# Altium PCB MICB.PcbDoc (part 2 of 3)
Units mil, origin at the board's own origin, x right, y up, seen from the top; angles counter-clockwise.
Board outline 3923.62 x 3144.88 mil, 4 copper layers (Top, GND02, PWR03, Bottom), stack 23.756 mil thick; 244 components, 173 nets, 794 pads, 559 vias.
Unrouted connection lines stored in the file: 121.
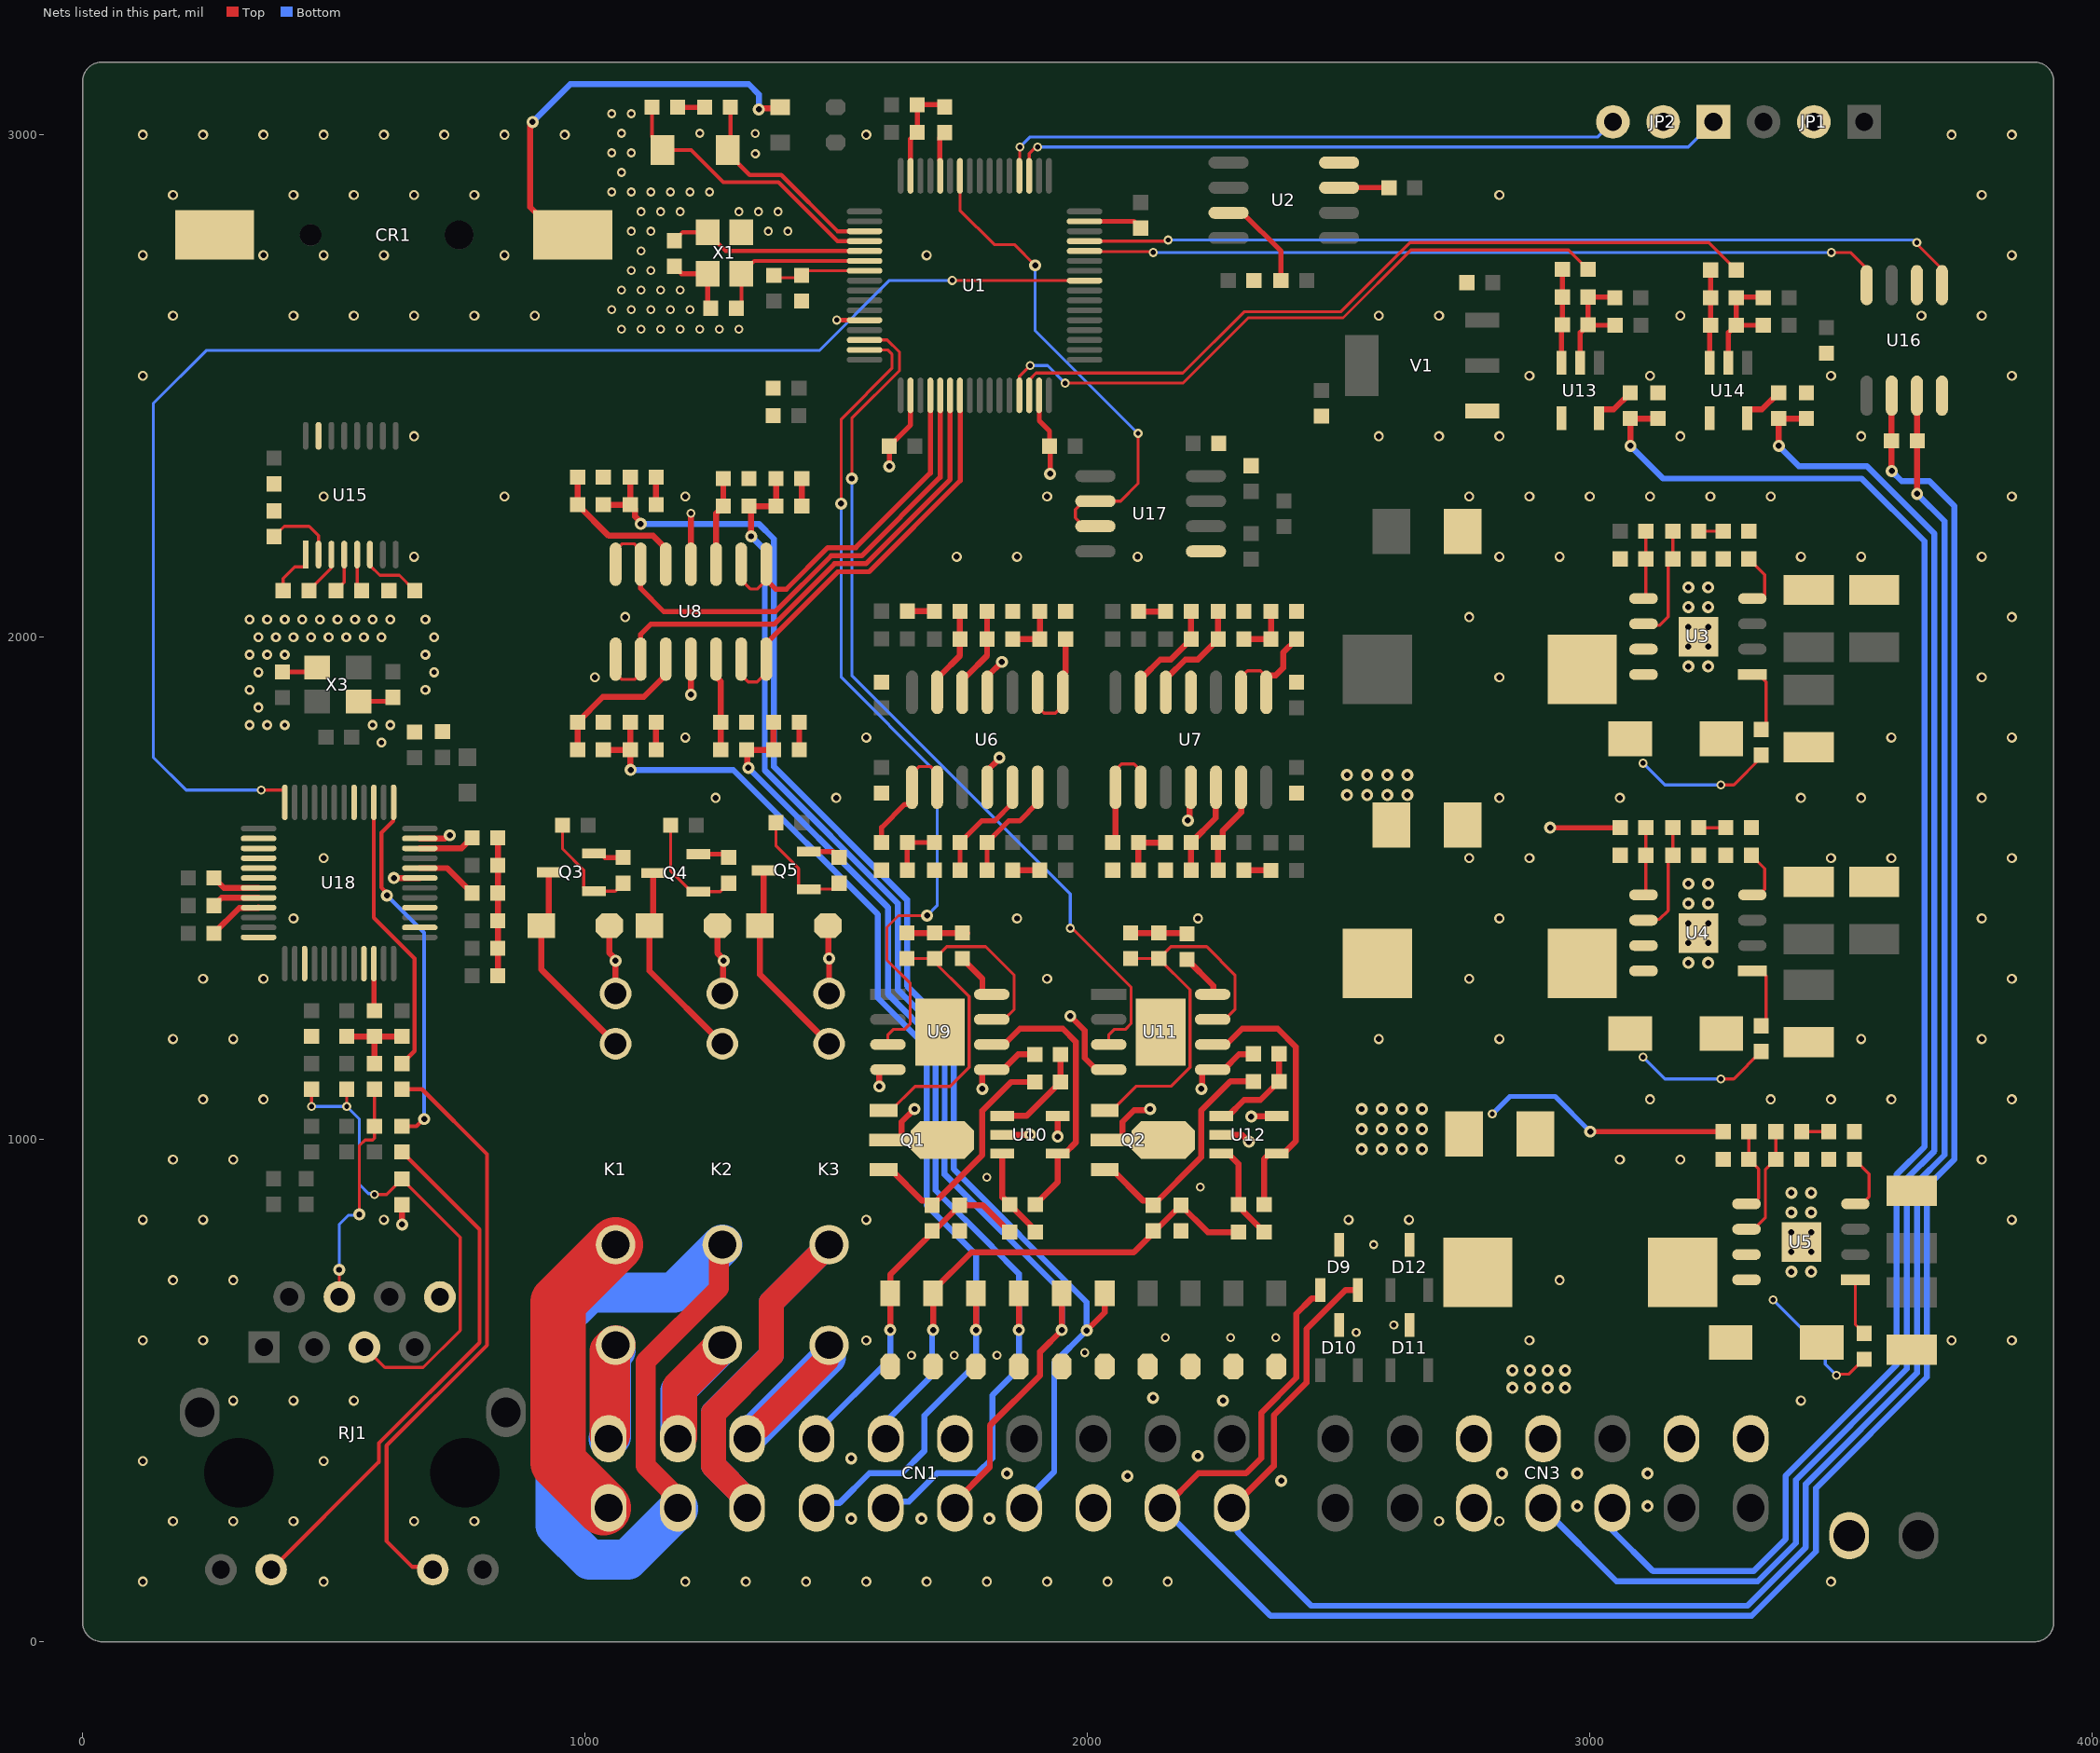
[diagram p4: the nets of this part, all layers, seen from the top]

## Via types
v1: diameter 24, hole 12, Top to Bottom, tented both sides, 215 vias
v2: diameter 20, hole 12, Top to Bottom, tented both sides, 159 vias
v3: diameter 18, hole 10, Top to Bottom, tented both sides, 121 vias
v4: diameter 20, hole 10, Top to Bottom, tented both sides, 34 vias
v5: diameter 24, hole 12, Top to Bottom, 30 vias

## Nets (pads, with @x,y where several pads share a name; then routed paths per layer and width w, separated by ;. In a path a pad name is that pad's centre, name@x,y a point inside that pad or via, vN(x,y) a via of type N, cw(c..) or ccw(c..) an arc to the next point about the centre after c; other vN are vias at no path point) (continued)
6V: CN3.8 E2.1 L2.2 R9.2 | length 139.4
  Top w10: v1(2920.98,1620.63) R9.2@3060.4,1620.63
  other v1: 2845.98,505.63 2880.98,505.63 2915.98,505.63 2950.98,505.63 2845.98,540.63 2880.98,540.63 2915.98,540.63 2950.98,540.63 2516.86,1685.64 2556.86,1685.64 2596.86,1685.64 2636.86,1685.64 2516.86,1725.64 2556.86,1725.64 2596.86,1725.64 2636.86,1725.64
12V: CN3.14 D6.2 D7.2 D8.2 E3.1 K1.1 K2.1 K3.1 L3.2 Q1.2 Q2.2 R13.2 U6.4 U7.4 U8.4 U9.4 U10.5 U11.4 U12.5 | length 1635
  Top w10: v1(3000.98,1015.63) R13.2@3265.4,1015.63
  Top w12: D6.2@1048.48,1425.63 1048.48,1371.38 1060.98,1358.88 v1(1060.98,1355.63) K1.1@1060.98,1290.63 ; v1(1210.98,1885.63) U8.4@1210.98,1956.14 ; D7.2@1263.48,1425.63 1263.48,1371.38 1275.98,1358.88 v1(1275.98,1355.63) 1274.73,1354.38 1274.73,1291.88 K2.1@1273.48,1290.63 ; D8.2@1483.48,1425.63 1484.73,1424.38 1484.73,1361.88 v1(1485.98,1360.63) K3.1@1485.98,1290.63 ; v1(1585.98,1105.63) 1585.98,1134.48 1590.44,1138.94 U9.4@1603.03,1138.94 ; Q1.2@1607.38,998.94 1623.59,998.94 1630.39,1005.73 1630.39,1035.03 v1(1655.98,1060.63) ; U6.4@1800.98,1701.14 1800.98,1734.31 1825,1758.33 v1(1825,1760) ; v1(1940.98,1005.63) 1940.98,1042.97 1941.05,1043.03 U10.5@1951.1,1043.03 ; v1(1965.98,1245.63) 1994.72,1216.89 1994.72,1162.24 2018.03,1138.94 U11.4@2042.64,1138.94 ; Q2.2@2063.2,998.94 2069.99,1005.73 2069.99,1035.03 2093.29,1058.33 2122.69,1058.33 v1(2124.98,1060.63) ; v1(2200,1635) 2200,1638.25 2203.76,1642.01 2203.76,1698.92 U7.4@2205.98,1701.14 ; v1(2325.98,1045.63) 2326.57,1046.22 2387.73,1046.22 U12.5@2388.32,1045.63
  Bottom w10: v3(2805.98,1050.63) 2840.98,1085.63 2930.98,1085.63 v1(3000.98,1015.63)
  other v1: 2545.98,980.63 2585.98,980.63 2625.98,980.63 2665.98,980.63 2545.98,1020.63 2585.98,1020.63 2625.98,1020.63 2665.98,1020.63 2545.98,1060.63 2585.98,1060.63 2625.98,1060.63 2665.98,1060.63
ACTLED: R91.2 U18.27 | length 563.8
  Top w8: U18.27@579.88,1671.08 579.88,1441.41 660.99,1360.3 660.99,1176.22 R91.2@635.99,1151.22
Ain_1: C41.2 CN1.7 DR5.1 R41.2 R42.2 | length 2286.3
  Top w12: R41.2@1036.57,1775.63 R42.2@1090.4,1775.63 ; C41.2@1090.4,1830.63 R42.2@1090.4,1775.63 ; v1(1090.98,1735.63) 1090.69,1735.92 1090.69,1775.34 R42.2@1090.4,1775.63 ; v1(1778.29,620.63) DR5.1@1778.29,693.46
  Bottom w12: v1(1090.98,1735.63) 1295.53,1735.63 1582.99,1448.17 1582.99,1281.6 1679.98,1184.61 1679.98,1050.69 ; CN1.7@1460.71,266.57 1470.9,276.76 1507.11,276.76 1565.98,335.63 1630.98,335.63 1675.98,380.63 1675.98,450.63 1778.29,552.93 v1(1778.29,620.63) 1778.29,770.61 1679.97,868.92 1679.97,1050.68
Ain_2: C42.2 CN1.9 DR6.1 R44.2 R45.2 | length 2091.5
  Top w12: v1(1325.23,1739.87) 1323.4,1741.7 1323.4,1773.81 R44.2@1321.57,1775.63 R45.2@1375.4,1775.63 C42.2@1375.4,1830.63 ; v1(1863.67,620.63) DR6.1@1863.67,693.46
  Bottom w12: v1(1325.23,1739.87) 1602.99,1462.11 1602.99,1289.89 1697.98,1194.89 1697.98,1043.23 ; CN1.9@1598.5,266.57 1611.48,279.55 1644.91,279.55 1700.98,335.63 1780.98,335.63 1810.98,365.63 1810.98,490.94 1863.67,543.63 v1(1863.67,620.63) 1863.67,732.94 1810.98,785.63 1810.98,785.93 1697.97,898.94 1697.97,1043.22
Ain_3: C43.2 CN1.11 DR7.1 R47.2 R48.2 | length 2512.5
  Top w12: v1(1330.98,2200.63) 1330.98,2255.63 1335.98,2260.63 R48.2@1380.4,2260.63 C43.2@1380.4,2315.63 ; CN1.11@1736.3,266.57 1736.3,278.38 1805.98,348.07 1805.98,430.63 1905.98,530.63 1905.98,577.56 v1(1949.06,620.63) DR7.1@1949.06,693.46
  Bottom w12: v1(1330.98,2200.63) 1357.98,2173.63 1357.98,1734.81 1622.99,1469.81 1622.99,1298.17 1715.98,1205.17 1715.98,1035.78 ; 1715.97,1035.77 1715.97,930.63 1949.06,697.54 v1(1949.06,620.63)
Ain_4: C44.2 CN1.13 DR8.1 R50.2 R51.2 | length 2759.8
  Top w12: R50.2@1036.57,2263.5 C44.2@1090.4,2263.51 ; R51.2@1090.4,2318.51 C44.2@1090.4,2263.51 ; v1(1110.98,2225.63) 1110.98,2228.88 1099.4,2240.47 1099.4,2254.51 C44.2@1090.4,2263.51 ; v1(1998.67,619.8) 2034.44,655.57 DR8.1@2034.44,693.46
  Bottom w12: v1(1110.98,2225.63) 1345.98,2225.63 1375.98,2195.63 1375.98,1742.27 1640.99,1477.26 1640.99,1305.63 1733.98,1212.63 1733.98,1028.32 ; 1733.97,1028.31 1733.97,941.03 1998.67,676.33 v1(1998.67,619.8) 1998.61,619.8 1934.01,555.19 1934.01,338.3 1874.1,278.38 CN1.13@1874.1,266.57
AV_1: U1.22 U8.1 U8.2 | length 1076.8
  Top w6: U8.1@1060.98,1956.14 1060.98,1927.96 1073.31,1915.63 1098.66,1915.63 1110.98,1927.96 U8.2@1110.98,1956.14
  Top w10: U8.2@1110.98,1956.14 1110.98,2005.63 1130.98,2025.63 1376.35,2025.63 1496.79,2146.07 1558.87,2146.07 1726.77,2313.97 U1.22@1726.77,2481.21
AV_2: U1.23 U8.6 U8.7 | length 850.4
  Top w6: U8.6@1310.98,1956.14 1310.98,1924.65 1325,1910.63 1342.47,1910.63 1360.98,1929.14 U8.7@1360.98,1956.14
  Top w10: U8.6@1310.98,1956.14 U8.6@1315.98,1961.14 ; U8.7@1360.98,1956.14 1360.98,1987.64 1503.42,2130.07 1565.5,2130.07 1747.09,2311.66 U1.23@1747.09,2481.21
AV_3: U1.20 U8.8 U8.9 | length 772.2
  Top w6: U8.9@1310.98,2114.61 1329.98,2095.61 1342.97,2095.61 U8.8@1360.98,2113.62 ; U8.9@1310.98,2145.12 U8.9@1310.98,2176.61 ; U8.8@1360.98,2145.12 U8.8@1360.98,2175.63
  Top w10: U8.9@1310.98,2115.63 U8.9@1310.98,2145.12 ; U8.8@1360.98,2145.12 1360.98,2114.17 1379.52,2095.63 1401.09,2095.63 1483.54,2178.08 1539.03,2178.08 1687.4,2326.45 U1.20@1687.4,2481.21
AV_4: U1.21 U8.13 U8.14 | length 1053.9
  Top w6: U8.14@1060.98,2145.12 1060.98,2173.3 1073.31,2185.63 1098.66,2185.63 1110.98,2173.3 U8.13@1110.98,2145.12
  Top w10: U8.13@1110.98,2145.12 1110.98,2096.81 1157.17,2050.63 1378.72,2050.63 1490.17,2162.07 1550.86,2162.07 1707.09,2318.3 U1.21@1707.09,2481.21
CAN_H: CN1.19 D9.2 R71.2 U16.7 | length 4279.5
  Top w12: CN1.19@2287.48,266.57 2370.98,350.08 2370.98,450.63 2435.98,515.63 2435.98,622.6 2514.02,700.63 D9.2@2538.39,700.63 ; U16.7@3650.98,2480.63 3651.28,2480.34 R71.2@3651.28,2385.92 ; v1(3651.41,2285.21) 3651.49,2285.29 3651.49,2390.55 R71.2@3651.57,2390.63
  Bottom w12: CN1.19@2287.48,266.57 2298.74,255.31 2298.74,218.55 2445.43,71.86 3313.78,71.86 3430,188.08 3430,314.06 3650.98,535.05 3650.98,914.06 3705.98,969.06 3705.98,2230.64 v1(3651.41,2285.21)
CAN_L: CN1.17 D9.1 R71.1 U16.6 | length 4571.1
  Top w12: CN1.17@2149.69,266.57 2151.93,266.57 2220.98,335.63 2315.98,335.63 2345.98,365.63 2345.98,455.63 2415.98,525.63 2415.98,653.03 2446.12,683.17 2459.74,683.17 2463.58,687.01 D9.1@2463.58,700.63 ; R71.1@3600.39,2390.63 R71.1@3600.69,2390.33 ; v1(3600.98,2330.63) 3600.69,2330.93 R71.1@3600.69,2390.33 ; U16.6@3600.98,2480.63 3600.69,2480.33 R71.1@3600.69,2390.33
  Bottom w12: CN1.17@2149.69,266.57 2364.49,51.77 3321.98,51.77 3450,179.79 3450,305.78 3670.98,526.76 3670.98,905.78 3725.98,960.78 3725.98,2260.63 3675.98,2310.63 3620.98,2310.63 v1(3600.98,2330.63)
CAN_RX: U1.44 U16.4 | length 1603.9
  Top w6: U1.44@1994.49,2768.61 1995.6,2767.5 2129.11,2767.5 v3(2130.98,2765.63) ; v3(3480.98,2765.63) 3518.86,2765.63 3550.98,2733.5 U16.4@3550.98,2700.63
  Bottom w6: v3(2130.98,2765.63) v3(3480.98,2765.63)
CAN_TX: U1.45 U16.1 | length 1765.2
  Top w6: U1.45@1994.49,2788.3 2155.41,2788.3 2157.74,2790.63 v3(2160.98,2790.63) ; v3(3650.98,2785.63) 3650.98,2782.38 3700.98,2732.38 U16.1@3700.98,2700.63
  Bottom w6: v3(2160.98,2790.63) 3642.74,2790.63 3647.74,2785.63 v3(3650.98,2785.63)
CO_5V: C14.1 D3.2 L1.1 U3.8 | length 275.5
  Top w6: v3(3260.98,1705.63) 3286.58,1705.63 C14.1@3340.99,1760.04
  Bottom w6: v3(3105.98,1749.06) 3149.41,1705.63 v3(3260.98,1705.63)
CO_6V: C22.1 D4.2 L2.1 U4.8 | length 275.5
  Top w6: v3(3260.98,1120.63) 3286.58,1120.63 C22.1@3340.99,1175.04
  Bottom w6: v3(3105.98,1164.06) 3149.41,1120.63 v3(3260.98,1120.63)
CO_12V: C28.1 D5.2 L3.1 U5.8 | length 270.5
  Top w6: v3(3490.98,530.63) 3493.28,532.93 3516.17,532.93 C28.1@3545.99,562.74
  Bottom w6: v3(3365,680.63) 3468.72,576.91 3468.72,552.89 v3(3490.98,530.63)
COM_1: CN1.1 K1.3 | length 609.1
  Top w110: CN1.1@1036.93,266.57 946.32,357.18 946.32,675.97 K1.3@1060.98,790.63
COM_2: CN1.3 K2.3 | length 1726.7
  Top w40: CN1.3@1185.12,266.57 1185.12,286.74 1120.98,350.87 1120.98,558.18 1266.97,704.17 1266.97,784.11 K2.3@1273.48,790.63
  Bottom w80: CN1.3@1185.12,266.57 1185.12,263.9 1085.2,163.97 1085.2,163.33 1009.45,163.33 941.32,231.46 941.32,628.2 1008.39,695.26 1178.11,695.26 K2.3@1273.48,790.63
COM_3: CN1.5 K3.3 | length 1294.2
  Top w50: CN1.5@1322.91,266.57 1322.91,283.59 1255.91,350.59 1255.91,455.58 1370.98,570.65 1370.98,675.63 K3.3@1485.98,790.63
  Bottom w50: CN1.5@1322.91,266.57 1322.91,283.59 1255.91,350.59 1255.91,456.88 1370.98,571.95 1370.98,675.63 K3.3@1485.98,790.63
debug_RX: JP2.3 U1.52 | length 1256.6
  Top w6: U1.52@1864.57,2919.71 1865.28,2920.42 1865.28,2974.32 v3@1865.98,2975.03
  Bottom w6: v3(1865.98,2975.63) 1885.98,2995.63 3015.93,2995.63 3045.93,3025.63 JP2.3@3045.98,3025.63
debug_TX: JP2.1 U1.51 | length 1432
  Top w6: U1.51@1884.25,2918.22 1884.25,2962.66 1894.33,2972.74 1898.69,2972.74 v3@1900.98,2975.03
  Bottom w6: v3(1900.98,2975.63) 3195.98,2975.63 JP2.1@3245.98,3025.63
GND: C1.2 C2.2 C3.2 C4.2 C5.1 C6.1 C7.1 C8.1 C9.1 C10.1 C11.2 C12.2 C13.1 C15.1 C16.1 C17.1 C18.1 C19.1 C20.2 C21.2 C23.1 C24.1 C25.1 C26.2 C27.2 C29.1 C30.1 C31.2 C32.2 C33.1 C34.1 C35.1 C36.1 C37.1 C38.1 C39.1 C40.1 C41.1 C42.1 C43.1 C44.1 C45.2 C46.2 C47.2 C48.2 C49.2 C50.2 C51.2 C52.2 C53.1 C54.1 C55.2 C56.2 C57.1 C58.1 C59.2 C60.2 C63.2 C64.2 C65.2 C66.1 C67.1 C68.1 C69.1 C70.1 C71.1 C72.1 C73.1 C74.1 C75.2 C76.2 C78.2 C79.2 C81.2 C82.2 CN1.12 CN1.15 CN2.1 CN3.5 CN3.6 CN3.12 CR1.2 D3.1 D4.1 D5.1 D9.3 D10.3 D11.3 D12.3 DR1.2 DR2.2 DR3.2 DR4.2 DR5.2 DR6.2 DR7.2 DR8.2 DR9.2 DR10.2 E1.2 E2.2 E3.2 JP1.2 JP2.2 Q3.2 Q4.2 Q5.2 R2.1 R6.1 R8.1 R10.1 R12.1 R14.1 R16.1 R17.2 R22.1 R23.2 R28.1 R29.2 R34.1 R35.2 R40.1 R42.1 R43.1 R45.1 R46.1 R48.1 R49.1 R51.1 R52.1 R53.2 R55.2 R59.2 R61.2 R67.2 R70.2 R74.1 R76.1 R78.1 R80.1 R84.2 R93.1 R94.1 R95.1 R96.1 RJ1.8 U1.12 U1.18 U1.31 U1.47 U1.63 U2.4 U3.7 U3.9 U4.7 U4.9 U5.7 U5.9 U6.11 U7.11 U8.11 U9.5 U9.9 U10.2 U11.5 U11.9 U12.2 U13.2 U13.4 U14.2 U14.4 U15.15 U16.2 U16.8 U17.5 U18.3 U18.9 U18.14 U18.16 U18.19 U18.23 U18.29 U18.38 U18.39 U18.40 U18.41 U18.42 U18.48 V1.1 X1.2 X1.4 X3.2 X3.4 | length 3598.7
  Top w10: C82.2@398.06,1930.63 458.25,1930.63 X3.2@466.72,1939.1 ; X3.4@549.39,1872.17 610.17,1872.17 C81.2@618.05,1880.04 ; Q3.2@1018.43,1569.25 1032.21,1569.25 1040.23,1561.22 R76.1@1075.98,1561.22 ; C1.2@1178.05,2738.06 1192.73,2723.38 X1.2@1244.59,2723.38 1244.59,2660.53 C2.2@1250.4,2654.72 ; C3.2@1184.5,3054.71 C4.2@1238.33,3054.72 ; Q4.2@1225.98,1568.03 1275.98,1568.03 1280.98,1563.03 R78.1@1280.98,1561.22 ; Q5.2@1443.43,1574.25 Q5.2@1445.98,1574.25 ; Q5.2@1445.98,1573.03 1494.17,1573.03 R80.1@1505.98,1561.22 ; v3(1501.48,2631.13) 1501.64,2630.98 1556.32,2630.98 U1.12@1556.48,2630.82 ; v1(1605.98,2340.03) 1605.98,2379.43 C9.1@1605.39,2380.03 1648.03,2422.67 U1.18@1648.03,2481.21 ; U1.63@1648.03,2918.22 1648.03,2991.17 1661.58,3004.72 C8.1@1661.58,3004.8 1661.58,3059.72 1711.57,3059.72 1715.94,3055.35 R2.1@1715.98,3055.31 ; U1.31@1903.94,2481.21 1904.28,2480.87 1904.28,2430.81 1924.8,2410.29 C5.1@1924.8,2380.03 1925.98,2378.84 v1(1925.98,2325.03) ; U1.47@1994.49,2827.67 2092.44,2827.67 C6.1@2105.99,2814.12 ; U13.2@2980.98,2545.75 2980.98,2606.26 R67.2@2996.57,2621.85 ; C54.1@2996.57,2676.85 R67.2@2996.57,2621.85 ; C54.1@2996.58,2676.85 3048.86,2676.85 C51.2@3050.08,2675.63 C51.2@3050.4,2675.32 ; C52.2@3050.4,2620.75 2997.67,2620.75 R67.2@2996.57,2621.85 ; U14.2@3275.98,2545.75 3275.98,2606.26 R70.2@3291.57,2621.85 ; C58.1@3291.57,2676.85 R70.2@3291.57,2621.85 ; C58.1@3291.58,2676.85 3343.86,2676.85 C55.2@3345.4,2675.32 ; C56.2@3345.4,2620.75 3292.67,2620.75 R70.2@3291.57,2621.85
  Top w12: C69.1@525.99,1205.04 R84.2@580.98,1205.04 ; C74.1@580.98,1151.22 R84.2@580.98,1205.04 ; v1(620,1520.63) 620.08,1520.55 671.35,1520.55 U18.19@671.43,1520.47 ; v1(635.98,830.63) C73.1@635.99,870.04 ; C67.1@635.99,1205.04 R84.2@580.98,1205.04 ; U18.23@671.43,1599.21 721.32,1599.21 727.74,1605.63 v1(730.98,1605.63) ; C72.1@826.58,1325.63 C76.2@826.57,1600.63 ; R42.1@1141.58,1775.63 C41.1@1141.58,1830.63 ; C44.1@1141.58,2263.51 R51.1@1141.58,2318.51 ; U8.11@1210.98,2145.12 v3(1210.98,2246.63) ; R45.1@1426.58,1775.63 C42.1@1426.58,1830.63 ; R48.1@1431.58,2260.63 C43.1@1431.58,2315.63 ; R28.1@1641.57,2051.73 1641.87,2051.44 1695.1,2051.44 R23.2@1695.4,2051.15 ; R53.2@1650.99,1411.22 1705.99,1411.22 C45.2@1760.99,1411.22 ; v1(1790.98,1100.63) 1790.98,1134.48 1795.44,1138.94 U9.5@1809.72,1138.94 1831.92,1138.94 1862.4,1169.41 R55.2@1895.4,1169.41 ; U6.11@1800.98,1890.12 1800.98,1923.62 1802.98,1923.62 v1(1829.98,1950.63) ; U10.2@1830.87,1009.41 v1(1885.98,1009.41) ; R17.2@1851.57,1536.14 R22.1@1905.39,1536.14 ; R59.2@2090.59,1411.22 2145.59,1411.22 C48.2@2200.59,1411.22 ; R40.1@2101.58,2051.15 R35.2@2155.4,2051.15 ; U7.11@2205.98,1855.48 U7.11@2205.98,1890.12 ; v1(2226.98,1100.63) 2228.85,1102.5 2228.85,1134.48 2230.59,1134.48 2235.05,1138.94 U11.5@2249.33,1138.94 2271.53,1138.94 2302,1169.41 R61.2@2335,1169.41 ; U12.2@2270.47,1009.41 2270.61,1009.55 2307.46,1009.55 v1(2321.38,995.63) ; R29.2@2311.57,1536.14 2311.83,1535.88 2365.13,1535.88 R34.1@2365.39,1535.63
  other v1: 1530,245 1670,245 1805,245 2975,270 3115,270 2385.98,320.63 2080,330 1840,335 2825,335 2975,335 3115,335 1530,365 2220,370 2270,480 2130.98,485.63
  other v2: 120,120 480,120 1200,120 1320,120 1440,120 1560,120 1680,120 1800,120 1920,120 2040,120 2160,120 3480,120 180,240 300,240 420,240 660,240 780,240 2700,240 2820,240 120,360 480,360 300,480 420,480 540,480 3420,480 120,600 240,600 1560,600 2880,600 3720,600 3840,600 180,720 300,720 2940,720 120,840 240,840 600,840 1560,840 2520,840 2640,840 3840,840 180,960 300,960 3060,960 3180,960 3780,960 240,1080 360,1080 3120,1080 3360,1080 3480,1080 3600,1080 3840,1080 180,1200 300,1200 2580,1200 2820,1200 3540,1200 3780,1200 240,1320 360,1320 1920,1320 2760,1320 3840,1320 420,1440 1860,1440 2220,1440 2820,1440 3780,1440 480,1560 2760,1560 2880,1560 3480,1560 3600,1560 3840,1560 1260,1680 1500,1680 2820,1680 3060,1680 3420,1680 3540,1680 3780,1680 1200,1800 1560,1800 3600,1800 3840,1800 1020,1920 2820,1920 3780,1920 1080,2040 2760,2040 3840,2040 660,2160 1740,2160 1860,2160 2100,2160 2820,2160 2940,2160 3420,2160 3540,2160 3780,2160 480,2280 840,2280 1200,2280 1920,2280 2760,2280 2880,2280 3000,2280 3120,2280 3240,2280 3360,2280 3840,2280 660,2400 2580,2400 2700,2400 2820,2400 3180,2400 3540,2400 120,2520 2880,2520 3120,2520 3480,2520 3840,2520 180,2640 420,2640 540,2640 660,2640 780,2640 900,2640 2580,2640 2700,2640 3180,2640 3660,2640 3780,2640 120,2760 360,2760 480,2760 600,2760 840,2760 1680,2760 3840,2760 180,2880 420,2880 540,2880 660,2880 780,2880 2820,2880 3780,2880 120,3000 240,3000 360,3000 480,3000 600,3000 720,3000 840,3000 960,3000 1560,3000 3720,3000 3840,3000
  other v3: 1650,570.63 1735,570.63 1820,570.63 1995,575.63 2155,605.63 2285,605.63 2375,605.63 2535,615.63 2610,630.63 2570,790.63 2225,905 1800,925 1072.5,2613 1111.5,2613 1150.5,2613 1189.5,2613 1228.5,2613 1267.5,2613 1306.5,2613 1053,2652 1092,2652 1131,2652 1170,2652 1209,2652 1072.5,2691 1111.5,2691 1150.5,2691 1189.5,2691 1092,2730 1131,2730 1111.5,2769 1092,2808 1131,2808 1365,2808 1404,2808 1111.5,2847 1150.5,2847 1189.5,2847 1306.5,2847 1345.5,2847 1384.5,2847 1053,2886 1092,2886 1131,2886 1170,2886 1209,2886 1248,2886 1072.5,2925 1339.26,2962.14 1053,2964 1092,2964 1072.5,3003 1228.5,3003 1338.72,3002.56 1053,3042 1092,3042
  other v4: 595,1790 332.5,1825 367.5,1825 402.5,1825 577.5,1825 612.5,1825 350,1860 332.5,1895 682.5,1895 350,1930 700,1930 332.5,1965 367.5,1965 402.5,1965 682.5,1965 350,2000 385,2000 420,2000 455,2000 490,2000 525,2000 560,2000 595,2000 700,2000 332.5,2035 367.5,2035 402.5,2035 437.5,2035 472.5,2035 507.5,2035 542.5,2035 577.5,2035 612.5,2035 682.5,2035
  other v5: 3401.3,736.58 3440.67,736.58 3401.3,775.95 3440.67,775.95 3401.3,815.32 3440.67,815.32 3401.3,854.69 3440.67,854.69 3401.3,894.06 3440.67,894.06 3196.3,1351.58 3235.67,1351.58 3196.3,1390.95 3235.67,1390.95 3196.3,1430.32 3235.67,1430.32 3196.3,1469.69 3235.67,1469.69 3196.3,1509.06 3235.67,1509.06 3196.3,1941.58 3235.67,1941.58 3196.3,1980.95 3235.67,1980.95 3196.3,2020.32 3235.67,2020.32 3196.3,2059.69 3235.67,2059.69 3196.3,2099.06 3235.67,2099.06
INTn: U1.41 U18.36 | length 2971.8
  Top w6: v3(355.98,1695.63) 400.41,1695.63 402.72,1693.32 U18.36@402.72,1671.08 ; v3(1730.98,2710.03) 1731.22,2709.8 1994.25,2709.8 U1.41@1994.49,2709.56
  Bottom w6: v3(355.98,1695.63) 205.98,1695.63 140.98,1760.63 140.98,2465.63 245.98,2570.63 1466.43,2570.63 1605.84,2710.03 v3(1730.98,2710.03)
Iout_1: C47.1 CN1.8 DR9.1 R56.2 R57.1 | length 704.4
  Top w12: v1(1607.52,620.63) DR9.1@1607.52,693.46 1607.52,730.63 C47.1@1745.98,869.1 1791.92,869.1 R57.1@1845.39,815.63
  Bottom w12: CN1.8@1460.71,404.37 1460.71,416.18 1607.52,562.99 v1(1607.52,620.63)
Iout_2: C50.1 CN1.10 DR10.1 R62.2 R63.1 | length 1034.4
  Top w12: v1(1692.9,620.63) DR10.1@1692.9,693.46 1692.9,699.37 1769.16,775.63 2092.51,775.63 C50.1@2185.98,869.1 2239.46,815.62 R63.1@2300.78,815.62
  Bottom w12: CN1.10@1598.5,404.37 1609.77,415.63 1609.77,449.41 1690.98,530.63 1690.98,618.71 v1(1692.9,620.63)
Ipwm_1: U1.15 U9.3 | length 1678.9
  Top w6: v1(1509.98,2265.63) 1510.21,2265.86 1510.21,2434.26 1610.98,2535.03 1610.98,2563.5 1602.72,2571.76 U1.15@1556.48,2571.76 ; U9.3@1603.03,1188.94 1603.03,1208.76 1613.38,1219.11 1635.85,1219.11 1647.47,1230.73 1647.47,1310.83 1600.98,1357.31 1600.98,1422.4 1624.22,1445.63 v1(1680.98,1445.63)
  Bottom w6: v1(1509.98,2265.63) 1510.21,2265.4 1510.21,1919.79 1700.98,1729.02 1700.98,1465.63 v1(1680.98,1445.63)
Ipwm_2: U1.14 U11.3 | length 1761.3
  Top w6: v1(1531.21,2315.63) 1531.21,2435.57 1625.98,2530.35 1625.98,2567.3 1601.84,2591.45 U1.14@1556.48,2591.45 ; v3(1965.98,1420.63) 1969.23,1420.63 1973.98,1415.88 1974.69,1415.88 2087.07,1303.49 2087.07,1230.72 2075.46,1219.11 2052.98,1219.11 2042.64,1208.76 U11.3@2042.64,1188.94
  Bottom w6: v1(1531.21,2315.63) 1531.21,1923.79 1965.98,1489.02 v3(1965.98,1420.63)
LINKLED: R90.2 U18.25 | length 725.7
  Top w8: v1(605.98,1485.63) 605.98,1490.5 594.98,1501.5 594.98,1610.61 618.68,1634.31 618.68,1670.5 U18.25@619.25,1671.08 ; R90.2@635.99,1026.22 664.71,1026.22 679.13,1040.63 v1(680,1040.63)
  Bottom w8: v1(605.98,1485.63) 680,1411.61 v1(680,1040.63)
Mpwm_1: R66.2 U1.29 | length 1319.2
  Top w6: U1.29@1864.57,2481.21 1864.87,2481.52 1864.87,2519.52 v3(1885.98,2540.63) ; v3(1955.98,2505.63) 2190,2505.63 2320,2635.63 2509.03,2635.63 2644.03,2770.63 2957.79,2770.63 R66.2@2996.57,2731.85
  Bottom w6: v3(1885.98,2540.63) 1920.98,2540.63 v3(1955.98,2505.63)
Mpwm_2: R69.2 U1.30 | length 1574.3
  Top w6: U1.30@1884.25,2481.21 1884.25,2512.14 1897.76,2525.65 2190.02,2525.65 2312,2647.63 2504.06,2647.63 2642.06,2785.63 3236.69,2785.63 R69.2@3291.57,2730.74
NetC10_2: C10.2 R1.1 U1.7 | length 186.3
  Top w6: R1.1@1375.98,2715.31 1430.98,2715.31 1444.93,2729.24 U1.7@1556.48,2729.24
NetC14_2: C14.2 U3.1 | length 135.2
  Top w6: U3.1@3323.48,1920.63 3341,1920.63 3350.98,1910.65 3350.98,1821.21 C14.2@3340.99,1811.22
NetC20_1: C20.1 R7.2 U3.6 | length 225.9
  Top w6: U3.6@3106.95,2021.42 3108.82,2023.29 3138.64,2023.29 3155.98,2040.63 3155.98,2141.22 3165.39,2150.63 R7.2@3165.4,2205.63
NetC21_1: C21.1 R7.1 | length 48.8
  Top w6: R7.1@3216.58,2210.63 C21.1@3265.39,2210.63
NetC22_2: C22.2 U4.1 | length 135.2
  Top w6: U4.1@3323.48,1335.63 3341,1335.63 3350.98,1325.65 3350.98,1236.21 C22.2@3340.99,1226.22
NetC26_1: C26.1 R11.2 U4.6 | length 225.9
  Top w6: U4.6@3106.95,1436.42 3108.82,1438.29 3138.64,1438.29 3155.98,1455.63 3155.98,1556.22 C26.1@3165.39,1565.63 R11.2@3165.4,1620.63
NetC27_1: C27.1 R11.1 | length 53.8
  Top w6: R11.1@3216.58,1620.63 C27.1@3270.39,1620.63
NetC28_2: C28.2 U5.1 | length 114
  Top w6: U5.1@3528.48,720.63 3528.48,631.42 C28.2@3545.99,613.92
NetC31_1: C31.1 R15.2 U5.6 | length 227.1
  Top w6: U5.6@3311.95,821.42 3326.77,821.42 3349.3,843.94 3349.3,939.53 C31.1@3370.39,960.63 R15.2@3370.4,1015.63
NetC32_1: C32.1 R15.1 | length 53.8
  Top w6: R15.1@3421.58,1015.63 C32.1@3475.39,1015.63
NetC33_2: C33.2 R20.1 R21.2 | length 108.8
  Top w10: C33.2@1641.57,1536.14 R20.1@1641.58,1591.15 R21.2@1695.4,1591.15
NetC34_2: C34.2 R21.1 U6.5 | length 223.4
  Top w10: C34.2@1746.57,1536.14 R21.1@1746.58,1591.15 1789.53,1634.09 1815.43,1634.09 1850.98,1669.65 U6.5@1850.98,1701.14
NetC35_2: C35.2 R26.1 R27.2 | length 108.8
  Top w12: R27.2@1851.57,1996.14 R26.1@1905.39,1996.14 C35.2@1905.4,2051.15
NetC36_2: C36.2 R27.1 U6.12 | length 184.3
  Top w12: U6.12@1750.98,1890.12 1750.98,1918.47 1756.35,1923.84 1761.09,1923.84 1800.39,1963.14 R27.1@1800.39,1996.14 C36.2@1800.4,2051.15
NetC37_2: C37.2 R32.1 R33.2 | length 108.8
  Top w12: C37.2@2101.57,1536.14 R32.1@2101.58,1591.15 R33.2@2155.4,1591.15
NetC38_2: C38.2 R33.1 U7.5 | length 187.5
  Top w12: C38.2@2206.57,1536.14 R33.1@2206.58,1591.15 2255.27,1639.83 2255.27,1695.42 U7.5@2260.98,1701.14
NetC39_2: C39.2 R38.1 R39.2 | length 108.8
  Top w12: R39.2@2311.57,1996.14 R38.1@2365.39,1996.14 C39.2@2365.4,2051.15
NetC40_2: C40.2 R39.1 U7.12 | length 216.8
  Top w12: U7.12@2160.98,1890.12 2160.98,1921.61 2194.86,1955.49 2219.74,1955.49 R39.1@2260.39,1996.14 C40.2@2260.4,2051.15
NetC45_1: C45.1 U9.8 | length 103.7
  Top w12: C45.1@1750.99,1360.04 1791.12,1319.91 1791.12,1293.4 1795.58,1288.94 U9.8@1809.72,1288.94
NetC46_1: C46.1 Q1.1 R53.1 U9.7 | length 821.3
  Top w6: Q1.1@1594.51,1057.99 1609.28,1057.99 1656.82,1105.53 1726.84,1105.53 1764.59,1143.28 1764.59,1284.6 C46.1@1689.15,1360.04 ; R53.1@1640.99,1360.04 C46.1@1689.15,1360.04 ; U9.7@1809.72,1238.94 1834.33,1238.94 1854.16,1258.76 1854.16,1327.46 1797.58,1384.04 1719.99,1384.04 C46.1@1695.99,1360.04 C46.1@1689.15,1360.04
NetC48_1: C48.1 U11.8 | length 92
  Top w12: C48.1@2198.39,1358.44 2250.98,1305.85 2250.98,1290.59 U11.8@2249.33,1288.94
NetC49_1: C49.1 Q2.1 R59.1 U11.7 | length 824.7
  Top w6: Q2.1@2034.51,1057.99 2049.28,1057.99 2097.59,1106.3 2167.22,1106.3 2204.2,1143.28 2204.2,1298.04 C49.1@2142.2,1360.04 ; R59.1@2080.59,1360.04 C49.1@2128.76,1360.04 ; C49.1@2135.48,1353.31 C49.1@2128.76,1360.04 ; U11.7@2249.33,1238.94 2273.94,1238.94 2293.76,1258.76 2293.76,1327.46 2237.4,1383.82 2165.98,1383.82 C49.1@2142.2,1360.04 ; C49.1@2128.76,1360.04 2135.59,1360.04 C49.1@2142.2,1360.04
NetC54_2: C54.2 R66.1 R67.1 U13.3 | length 186.9
  Top w10: U13.3@2943.58,2545.75 2943.58,2620.04 R67.1@2945.39,2621.85 C54.2@2945.4,2676.85 R66.1@2945.39,2731.85
NetC58_2: C58.2 R69.1 R70.1 U14.3 | length 186.9
  Top w10: U14.3@3238.58,2545.75 3238.58,2620.04 3240.39,2621.85 3240.4,2676.85 R69.1@3240.39,2731.85
NetC59_1: C59.1 U15.2 | length 142.5
  Top w6: C59.1@380.99,2200.04 401.58,2220.63 450.98,2220.63 469.8,2201.81 U15.2@469.8,2164.41
NetC61_1: C61.1 U15.3 | length 90.3
  Top w6: C61.1@450.59,2092.68 494.28,2136.37 494.28,2163.3 U15.3@495.39,2164.41
NetC61_2: C61.2 U15.1 | length 101.3
  Top w6: C61.2@399.41,2092.68 399.41,2116.68 422.58,2139.85 441.31,2139.85 444.21,2142.76 U15.1@444.21,2164.41
NetC62_1: C62.1 U15.5 | length 75.5
  Top w6: U15.5@546.58,2164.41 546.98,2164 546.98,2101.29 C62.1@555.59,2092.68
NetC62_2: C62.2 U15.4 | length 78.6
  Top w6: C62.2@504.41,2092.68 520.98,2109.25 U15.4@520.98,2164.41
NetC63_1: C63.1 U15.6 | length 131.4
  Top w6: U15.6@572.17,2164.41 572.17,2142.76 591.76,2123.16 630.7,2123.16 C63.1@661.18,2092.68
NetC73_2: C73.2 R85.1 R86.1 RJ1.5 | length 997.3
  Top w6: v3(455.98,1065.63) R85.1@455.99,1100.04 ; v3(525.98,1065.63) R86.1@525.99,1100.04 ; RJ1.5@561.3,586.57 601.8,546.07 678.08,546.07 751.8,619.8 751.8,805.41 C73.2@635.99,921.22 623.99,909.22 605.4,890.63 v3(580.98,890.63)
  Bottom w6: v3(455.98,1065.63) v3(525.98,1065.63) 550.98,1040.63 550.98,910.63 569.26,892.36 579.26,892.36 v3(580.98,890.63)
NetC74_2: C74.2 R89.2 RJ1.4 | length 463.2
  Top w6: v1(510.98,740.63) 511.14,740.47 511.14,686.73 RJ1.4@511.3,686.57 ; v1(550.98,850.63) 550.98,987.76 562.26,999.04 577.47,999.04 580.99,1002.55 R89.2@580.99,1026.22 ; R89.2@580.99,1026.22 C74.2@580.98,1100.04
  Bottom w6: v1(510.98,740.63) 510.98,830.63 529.64,849.28 549.64,849.28 v1(550.98,850.63)
NetC75_1: C75.1 U18.20 | length 124.5
  Top w12: U18.20@671.43,1540.16 725.86,1540.16 C75.1@775.39,1490.63
NetC76_1: C76.1 U18.22 | length 112.7
  Top w12: U18.22@671.43,1579.53 754.29,1579.53 C76.1@775.39,1600.63
NetCR1_1: CR1.1 D2.1 | length 833.9
  Top w12: v1(895.98,3025.63) 895.98,3022.38 890.98,3017.38 890.98,2856.1 946.46,2800.63 CR1.1@975.99,2800.63 ; v1(1345.98,3050.63) 1348.03,3052.67 1376.75,3052.67 D2.1@1379.11,3055.03
  Bottom w12: v1(895.98,3025.63) 970.98,3100.63 1325.98,3100.63 1345.98,3080.63 v1(1345.98,3050.63)
NetD6_1: D6.1 K1.2 Q3.3 | length 408.5
  Top w12: Q3.3@928.43,1531.85 928.43,1440.57 D6.1@913.48,1425.63 913.48,1338.13 K1.2@1060.98,1190.63
NetD7_1: D7.1 K2.2 Q4.3 | length 406.2
  Top w12: Q4.3@1135.98,1530.63 1135.98,1433.13 D7.1@1128.48,1425.63 1128.48,1335.63 K2.2@1273.48,1190.63 ; Q4.3@1143.43,1530.63 Q4.3@1143.43,1531.85 ; K2.2@1274.73,1191.88 K2.2@1275.98,1190.63
NetD8_1: D8.1 K3.2 Q5.3 | length 405.1
  Top w12: Q5.3@1355.98,1535.63 1355.98,1433.13 D8.1@1348.48,1425.63 1348.48,1328.13 K3.2@1485.98,1190.63
NetQ1_3: Q1.3 R54.1 R56.1 | length 482.6
  Top w12: Q1.3@1594.51,939.88 1609.28,939.88 1671.06,878.1 1684.11,878.1 R56.1@1690.98,871.22 ; R56.1@1690.98,869.1 1790.98,969.1 1790.98,1057.36 1848.03,1114.41 R54.1@1895.39,1114.41
NetQ2_3: Q2.3 R60.1 R62.1 | length 486.7
  Top w12: Q2.3@2034.12,939.88 Q2.3@2034.51,939.88 2049.28,939.88 2111.06,878.1 2121.99,878.1 R62.1@2130.99,869.1 2226.37,964.48 2226.37,1057.36 2284.64,1115.63 R60.1@2330.39,1115.63 ; R60.1@2330.39,1114.41 R60.1@2335,1114.41
NetQ3_1: Q3.1 R75.1 R76.2 | length 229.4
  Top w6: R75.1@955.39,1625.63 955.39,1578.67 997.8,1536.25 997.8,1501.29 1004.65,1494.45 Q3.1@1018.43,1494.45 1060.39,1494.45 R76.2@1075.98,1510.04
NetQ4_1: Q4.1 R77.1 R78.2 | length 235
  Top w6: R77.1@1170.39,1625.63 1170.39,1535.04 1210.98,1494.45 Q4.1@1225.98,1494.45 ; Q4.1@1225.98,1493.23 1269.17,1493.23 R78.2@1285.98,1510.04 R78.2@1290.98,1510.04
NetQ5_1: Q5.1 R79.1 R80.2 | length 232.5
  Top w6: R79.1@1380.39,1630.63 1380.39,1584.33 1425.36,1539.36 1425.36,1505.07 1432.2,1498.23 Q5.1@1445.98,1498.23 1494.17,1498.23 R80.2@1505.98,1510.04
NetR2_2: R2.2 U1.60 | length 90.5
  Top w10: U1.60@1707.09,2918.22 1707.09,2948.24 1705.98,2949.34 1705.98,2994.21 1715.91,3004.13 R2.2@1715.98,3004.13
NetR3_2: R3.2 U2.3 | length 99.4
  Top w10: U2.3@2500.98,2894.72 R3.2@2600.4,2894.72
NetR4_2: R4.2 U2.7 | length 194.3
  Top w10: U2.7@2280.98,2844.72 2308.98,2844.72 2385.4,2768.31 R4.2@2385.4,2710.03
NetR5_1: R5.1 R8.2 U3.5 | length 135.7
  Top w6: U3.5@3106.95,2071.81 3111.57,2076.43 R8.2@3111.57,2150.63 ; R8.2@3111.58,2150.63 R5.1@3111.58,2205.63
NetR6_2: R6.2 U3.4 | length 107.6
  Top w6: R6.2@3321.57,2150.63 3347.89,2124.31 3347.89,2082.93 3336.77,2071.81 U3.4@3323.48,2071.81
NetR9_1: R9.1 R12.2 U4.5 | length 135.7
  Top w6: U4.5@3106.95,1486.81 3111.57,1491.43 R12.2@3111.57,1565.63 ; R12.2@3111.57,1565.63 R9.1@3111.58,1620.63
NetR10_2: R10.2 U4.4 | length 107.6
  Top w6: R10.2@3321.57,1565.63 3347.89,1539.31 3347.89,1497.93 3336.77,1486.81 U4.4@3323.48,1486.81
NetR13_1: R13.1 R16.2 U5.5 | length 169.6
  Top w6: U5.5@3311.95,871.81 3325.23,871.81 3335.98,882.56 3335.98,941.21 R16.2@3316.57,960.63 ; R16.2@3316.57,960.63 R13.1@3316.58,1015.63
NetR14_2: R14.2 U5.4 | length 120.2
  Top w6: R14.2@3526.57,960.63 3555.98,931.21 3555.98,886.03 3551.91,881.95 3541.77,871.81 U5.4@3528.48,871.81
NetR17_1: R17.1 R18.2 U6.6 | length 219.6
  Top w10: R17.1@1800.39,1536.14 R18.2@1800.4,1591.15 1843.34,1634.09 1865.43,1634.09 1900.98,1669.65 U6.6@1900.98,1701.14
NetR20_2: R20.2 U6.1 U6.2 | length 256.7
  Top w6: U6.1@1650.98,1701.14 1650.98,1728.04 1665.47,1742.52 1687.95,1742.52 1700.98,1729.49 U6.2@1700.98,1701.14
  Top w10: R20.2@1590.4,1591.15 1590.4,1621.15 1636.29,1667.04 1644.69,1667.04 1650.98,1673.33 U6.1@1650.98,1701.14
NetR23_1: R23.1 R24.2 U6.13 | length 211.9
  Top w12: U6.13@1700.98,1858.62 U6.13@1700.98,1890.12 1700.98,1918.47 1706.35,1923.84 1707.27,1923.84 1746.57,1963.14 R24.2@1746.57,1996.14 ; R24.2@1746.57,1996.14 R23.1@1746.58,2051.15
NetR26_2: R26.2 U6.8 U6.9 | length 225
  Top w6: U6.9@1900.98,1890.12 1900.98,1861.77 1914.01,1848.74 1936.5,1848.74 1950.98,1863.22 U6.8@1950.98,1890.12
  Top w12: U6.8@1950.98,1890.12 1950.98,1924.76 1956.57,1930.35 R26.2@1956.57,1996.14
NetR29_1: R29.1 R30.2 U7.6 | length 183.9
  Top w12: R29.1@2260.39,1536.14 R30.2@2260.4,1591.15 2269,1599.75 2269,1614 2305.98,1650.98 U7.6@2305.98,1701.14
NetR32_2: R32.2 U7.1 U7.2 | length 240.3
  Top w6: U7.1@2055.98,1701.14 2055.98,1735.69 2067.74,1747.45 2092.71,1747.45 2105.98,1734.17 U7.2@2105.98,1701.14
  Top w12: R32.2@2050.4,1591.15 2055.98,1596.73 U7.1@2055.98,1701.14
NetR35_1: R35.1 R36.2 U7.13 | length 213
  Top w12: U7.13@2110.98,1890.12 2110.98,1921.61 2144.86,1955.49 2165.92,1955.49 R36.2@2206.57,1996.14 ; R36.2@2206.57,1996.14 R35.1@2206.58,2051.15
NetR38_2: R38.2 U7.8 U7.9 | length 263.4
  Top w6: U7.9@2303.54,1888.32 U7.9@2303.54,1890.12 ; U7.9@2305.98,1890.12 2305.98,1920.03 2318.76,1932.81 2344.3,1932.81 2355.77,1921.34 U7.8@2355.77,1888.32
  Top w12: U7.8@2355.98,1890.12 2355.98,1918.47 2361.35,1923.84 2374.62,1923.84 2389.57,1938.79 2389.57,1969.14 R38.2@2416.57,1996.14
NetR41_1: R41.1 R43.2 U8.3 | length 301
  Top w12: R41.1@985.39,1775.63 R43.2@985.4,1830.63 1035.79,1881.03 1117.37,1881.03 1160.98,1924.65 U8.3@1160.98,1956.14
NetR44_1: R44.1 R46.2 U8.5 | length 184.4
  Top w12: U8.5@1260.98,1956.14 1260.98,1921.5 1270.4,1912.09 R46.2@1270.4,1830.63 R44.1@1270.39,1775.63
NetR47_1: R47.1 R49.2 U8.10 | length 176.5
  Top w12: U8.10@1260.98,2145.12 1260.98,2246.22 R47.1@1275.39,2260.63 R49.2@1275.4,2315.63
NetR50_1: R50.1 R52.2 U8.12 | length 298.1
  Top w12: R52.2@985.4,2318.51 R50.1@985.39,2263.5 1047.26,2201.63 1135.97,2201.63 1160.98,2176.61 U8.12@1160.98,2145.12
NetR54_2: R54.2 R55.1 U10.1 | length 198.7
  Top w12: U10.1@1830.87,1046.81 1878.98,1046.81 R54.2@1946.57,1114.41 ; R54.2@1946.57,1114.41 R55.1@1946.58,1169.41
NetR57_2: R57.2 R58.1 U10.3 | length 183.6
  Top w12: U10.3@1830.87,972.01 1830.87,885.15 R58.1@1845.39,870.63 1887.57,828.45 1887.57,824.63 R57.2@1896.57,815.63
NetR58_2: R58.2 U9.6 U10.4 | length 556.3
  Top w12: U9.6@1809.72,1188.94 1834.33,1188.94 1866.02,1220.63 1950.98,1220.63 1976.72,1194.89 1976.72,993.85 1954.88,972.01 U10.4@1941.1,972.01 1941.1,915.16 R58.2@1896.57,870.63
NetR60_2: R60.2 R61.1 U12.1 | length 194.6
  Top w12: U12.1@2270.47,1046.81 2280.04,1046.81 2311.87,1078.64 2344.58,1078.64 R60.2@2381.57,1115.63 R61.1@2381.58,1170.63
NetR63_2: R63.2 R64.1 U12.3 | length 200
  Top w12: U12.3@2266.26,972.01 2280.04,972.01 2300.78,951.26 R64.1@2300.78,870.62 2309.78,861.62 2309.78,857.8 R63.2@2351.97,815.62
NetR64_2: R64.2 U11.6 U12.4 | length 549.7
  Top w12: U11.6@2249.33,1188.94 2276.55,1188.94 2308.24,1220.63 2378.55,1220.63 2414.98,1184.2 2414.98,996.72 2390.28,972.01 2362.72,972.01 2351.97,961.26 R64.2@2351.97,870.62
NetR65_2: R65.2 U13.5 | length 91.4
  Top w12: U13.5@3018.39,2435.51 3018.39,2449.29 3022.23,2453.13 3047.59,2453.13 R65.2@3080.67,2486.22
NetR68_2: R68.2 U14.5 | length 91.4
  Top w12: U14.5@3313.39,2435.51 3313.39,2449.29 3317.23,2453.13 3342.59,2453.13 R68.2@3375.67,2486.22
NetR81_2: R81.2 U18.45 | length 110
  Top w12: R81.2@261.57,1410.63 311.86,1460.92 350.04,1460.92 U18.45@350.54,1461.42
NetR82_2: R82.2 U18.44 | length 95.4
  Top w12: R82.2@261.57,1465.63 277.05,1481.1 U18.44@350.54,1481.1
NetR83_2: R83.2 U18.43 | length 97.2
  Top w12: R83.2@261.57,1520.63 281.41,1500.79 U18.43@350.54,1500.79
NetR84_1: R84.1 U18.10 | length 94.4
  Top w10: U18.10@579.88,1350.18 579.88,1257.32 R84.1@580.98,1256.22
NetR90_1: R90.1 RJ1.10 | length 1067
  Top w8: RJ1.10@375.47,143.66 590,358.19 590,395.43 790.2,595.63 790.2,820.82 R90.1@635.99,975.04
NetR91_1: R91.1 RJ1.11 | length 1191.2
  Top w8: R91.1@635.99,1100.04 675.59,1100.04 805,970.63 805,590.63 605,390.63 605,200.63 656.54,149.09 691.7,149.09 RJ1.11@697.12,143.66
NO_1: CN1.2 K1.4 | length 375.7
  Top w80: CN1.2@1049.49,411.61 1049.49,579.13 K1.4@1060.98,590.63
  Bottom w80: CN1.2@1047.32,404.37 1051.89,408.94 1051.89,571.61 1060.98,580.71 K1.4@1060.98,590.63
NO_2: CN1.4 K2.4 | length 445.7
  Top w70: CN1.4@1185.12,404.37 1188.91,408.16 1188.91,506.06 K2.4@1273.48,590.63
  Bottom w70: CN1.4@1185.12,404.37 1185.28,404.54 1185.28,500.07 1273.48,588.27 K2.4@1273.48,590.63
NO_3: CN1.6 K3.4 | length 517.8
  Top w50: CN1.6@1322.91,404.37 1322.91,410.53 1338.99,426.61 1345.16,426.61 1480.48,561.94 1480.48,585.13 K3.4@1485.98,590.63
  Bottom w70: CN1.6@1323.08,404.54 1323.08,416.11 1323.31,416.35 1334.89,416.35 1484.31,565.77 1484.31,588.96 K3.4@1485.98,590.63
OSC32_IN: C3.1 U1.4 X2.1 | length 571.2
  Top w8: C3.1@1133.32,3054.71 1133.32,2996.26 1153.95,2975.62 X2.1@1153.95,2969.72 1211.3,2969.72 1275.39,2905.63 1385.39,2905.63 1502.72,2788.3 U1.4@1556.48,2788.3
OSC32_OUT: C4.1 U1.3 X2.2 | length 443.4
  Top w8: C4.1@1289.51,3054.72 1289.51,2964.09 X2.2@1283.87,2969.72 1283.87,2963.81 1327.65,2920.03 1390.78,2920.03 1502.83,2807.98 U1.3@1556.48,2807.98 U1.3@1556.48,2809.74
OSC_IN: C1.1 U1.5 X1.1 | length 402.1
  Top w8: C1.1@1178.05,2789.24 1194.87,2806.06 X1.1@1244.59,2806.06 1244.59,2804.09 1280.06,2768.61 U1.5@1556.48,2768.61
OSC_OUT: C2.1 U1.6 X1.3 | length 329.5
  Top w8: C2.1@1301.58,2654.72 1311.52,2664.66 X1.3@1311.52,2723.38 1311.52,2725.35 1331.14,2744.97 1333.11,2744.97 1337.07,2748.93 U1.6@1556.48,2748.93
PWM_1: C53.2 CN3.9 R65.1 | length 3323.6
  Top w12: v1(3080.98,2380.63) 3080.83,2380.79 3080.83,2434.89 R65.1@3080.67,2435.04 C53.2@3135.67,2435.04
  Bottom w12: CN3.9@3044.77,266.57 3044.77,221.85 3125.98,140.63 3325.98,140.63 3390,204.65 3390,330.63 3610.98,551.61 3610.98,930.63 3665.98,985.63 3665.98,2190.63 3540.98,2315.63 3145.98,2315.63 v1(3080.98,2380.63)
PWM_2: C57.2 CN3.7 R68.1 | length 3210.5
  Top w12: v1(3375.98,2380.63) 3375.99,2434.73 3375.68,2435.04 C57.2@3430.66,2435.04
  Bottom w12: CN3.7@2906.97,266.57 3052.91,120.63 3334.27,120.63 3410,196.36 3410,322.35 3630.98,543.33 3630.98,922.35 3685.98,977.35 3685.98,2205.63 3550.98,2340.63 3415.98,2340.63 v1(3375.98,2380.63)
RD: U1.58 U17.2 U17.3 | length 993
  Top w6: U1.58@1746.46,2918.22 1746.46,2849.56 1814.5,2781.52 1854.5,2781.52 v1(1895.98,2740.03) ; U17.3@2015.98,2220.63 1992.86,2220.63 1975.98,2237.5 1975.98,2253.76 1992.86,2270.63 U17.2@2015.98,2270.63 2065.98,2270.63 2100.98,2305.63 v3(2100.98,2405.63)
  Bottom w6: v1(1895.98,2740.03) 1895.98,2610.03 2100.39,2405.63 v3(2100.98,2405.63)